# Altium PCB MercurialSDR.PcbDoc (part 3 of 6) (continued)
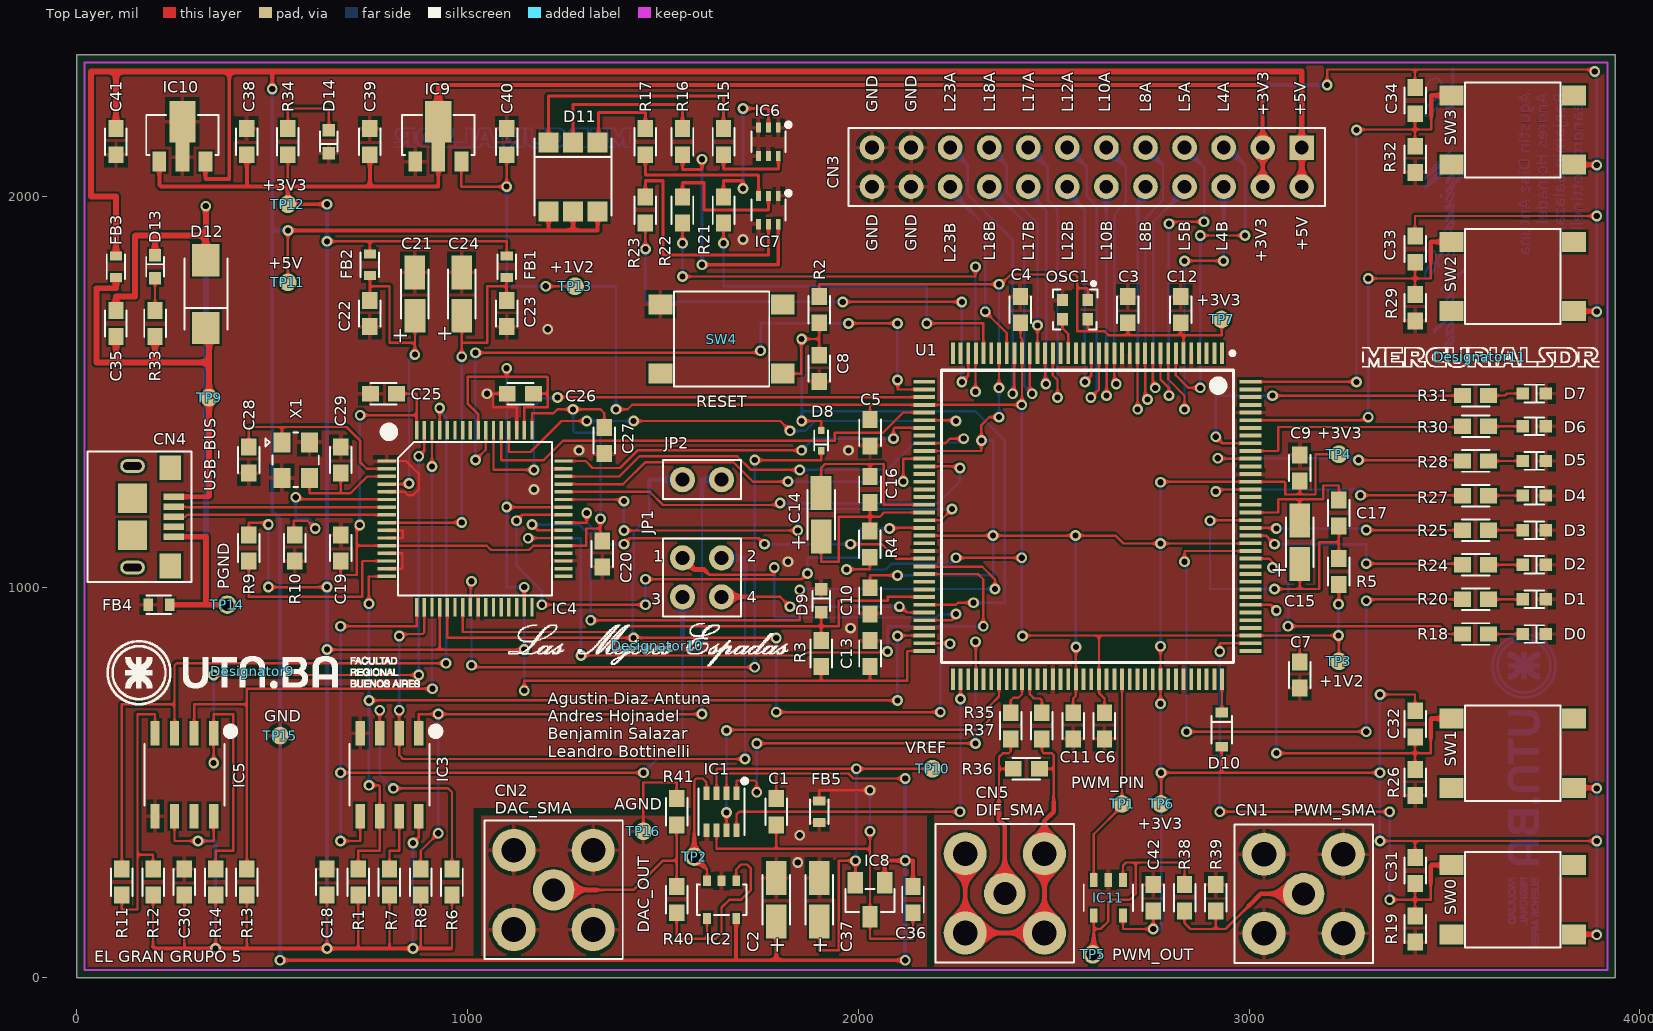
[diagram p0: Top Layer view]
## Nets (pads, with @x,y where several pads share a name; then routed paths per layer and width w, separated by ;. In a path a pad name is that pad's centre, name@x,y a point inside that pad or via, vN(x,y) a via of type N, cw(c..) or ccw(c..) an arc to the next point about the centre after c; other vN are vias at no path point) (continued)
; 3686.8,621.4 3686.8,635.8 ; 3686.8,671.8 3686.8,685.3 ; 3686.8,717.7 3686.8,722.2 ; 3686.8,730.3 3686.8,735.7 ; 3686.8,770.8 3686.8,826.6 ; 3686.8,860.8 3686.8,866.2 ; 3686.8,874.3 3686.8,879.7 ; 3687.7,289.3 3687.7,304.6 ; 3687.7,337.9 3687.7,353.2 ; 3687.7,370.3 3687.7,383.8 ; 3687.7,416.2 3687.7,430.6 ; 3687.7,476.5 3687.7,490.9 ; 3687.7,525.1 3687.7,539.5 ; 3687.7,572.8 3687.7,587.2 ; 3687.7,621.4 3687.7,635.8 ; 3687.7,671.8 3687.7,685.3 ; 3687.7,716.8 3687.7,722.2 ; 3687.7,730.3 3687.7,734.8 ; 3687.7,771.7 3687.7,825.7 ; 3687.7,861.7 3687.7,866.2 ; 3687.7,874.3 3687.7,879.7 ; 3688.6,289.3 3688.6,304.6 ; 3688.6,338.8 3688.6,353.2 ; 3688.6,370.3 3688.6,384.7 ; 3688.6,416.2 3688.6,430.6 ; 3688.6,476.5 3688.6,490.9 ; 3688.6,525.1 3688.6,539.5 ; 3688.6,572.8 3688.6,587.2 ; 3688.6,621.4 3688.6,635.8 ; 3688.6,671.8 3688.6,685.3 ; 3688.6,716.8 3688.6,722.2 ; 3688.6,730.3 3688.6,734.8 ; 3688.6,772.6 3688.6,824.8 ; 3688.6,861.7 3688.6,867.1 ; 3688.6,875.2 3688.6,879.7 ; 3689.5,289.3 3689.5,303.7 ; 3689.5,338.8 3689.5,353.2 ; 3689.5,370.3 3689.5,384.7 ; 3689.5,416.2 3689.5,430.6 ; 3689.5,476.5 3689.5,490.9 ; 3689.5,525.1 3689.5,539.5 ; 3689.5,572.8 3689.5,587.2 ; 3689.5,621.4 3689.5,635.8 ; 3689.5,671.8 3689.5,685.3 ; 3689.5,716.8 3689.5,721.3 ; 3689.5,729.4 3689.5,734.8 ; 3689.5,773.5 3689.5,824.8 ; 3689.5,861.7 3689.5,867.1 ; 3689.5,875.2 3689.5,879.7 ; 3690.4,289.3 3690.4,303.7 ; 3690.4,338.8 3690.4,353.2 ; 3690.4,370.3 3690.4,384.7 ; 3690.4,416.2 3690.4,430.6 ; 3690.4,476.5 3690.4,490.9 ; 3690.4,525.1 3690.4,540.4 ; 3690.4,572.8 3690.4,587.2 ; 3690.4,621.4 3690.4,635.8 ; 3690.4,671.8 3690.4,685.3 ; 3690.4,716.8 3690.4,721.3 ; 3690.4,729.4 3690.4,734.8 ; 3690.4,774.4 3690.4,823.9 ; 3690.4,862.6 3690.4,867.1 ; 3690.4,875.2 3690.4,879.7 ; 3691.3,289.3 3691.3,303.7 ; 3691.3,338.8 3691.3,353.2 ; 3691.3,371.2 3691.3,385.6 ; 3691.3,416.2 3691.3,430.6 ; 3691.3,476.5 3691.3,490.9 ; 3691.3,525.1 3691.3,540.4 ; 3691.3,572.8 3691.3,587.2 ; 3691.3,621.4 3691.3,635.8 ; 3691.3,671.8 3691.3,685.3 ; 3691.3,716.8 3691.3,721.3 ; 3691.3,729.4 3691.3,733.9 ; 3691.3,775.3 3691.3,823 ; 3691.3,862.6 3691.3,867.1 ; 3691.3,875.2 3691.3,879.7 ; 3692.2,289.3 3692.2,303.7 ; 3692.2,338.8 3692.2,353.2 ; 3692.2,371.2 3692.2,385.6 ; 3692.2,416.2 3692.2,430.6 ; 3692.2,476.5 3692.2,490.9 ; 3692.2,525.1 3692.2,540.4 ; 3692.2,572.8 3692.2,587.2 ; 3692.2,621.4 3692.2,635.8 ; 3692.2,671.8 3692.2,685.3 ; 3692.2,715.9 3692.2,721.3 ; 3692.2,729.4 3692.2,733.9 ; 3692.2,776.2 3692.2,821.2 ; 3692.2,862.6 3692.2,867.1 ; 3692.2,875.2 3692.2,880.6 ; 3693.1,289.3 3693.1,303.7 ; 3693.1,338.8 3693.1,353.2 ; 3693.1,372.1 3693.1,386.5 ; 3693.1,416.2 3693.1,430.6 ; 3693.1,476.5 3693.1,490.9 ; 3693.1,526 3693.1,540.4 ; 3693.1,572.8 3693.1,587.2 ; 3693.1,621.4 3693.1,635.8 ; 3693.1,671.8 3693.1,685.3 ; 3693.1,715.9 3693.1,721.3 ; 3693.1,729.4 3693.1,733.9 ; 3693.1,777.1 3693.1,820.3 ; 3693.1,862.6 3693.1,868 ; 3693.1,875.2 3693.1,880.6 ; 3694,188.5 3694,194.8 ; 3694,213.7 3694,219.1 ; 3694,289.3 3694,303.7 ; 3694,338.8 3694,353.2 ; 3694,372.1 3694,387.4 ; 3694,416.2 3694,430.6 ; 3694,476.5 3694,490.9 ; 3694,526 3694,540.4 ; 3694,572.8 3694,587.2 ; 3694,621.4 3694,635.8 ; 3694,671.8 3694,685.3 ; 3694,715.9 3694,721.3 ; 3694,728.5 3694,733.9 ; 3694,778 3694,819.4 ; 3694,862.6 3694,868 ; 3694,876.1 3694,880.6 ; 3694.9,143.5 3694.9,147.1 ; 3694.9,154.3 3694.9,158.8 ; 3694.9,166 3694.9,168.7 ; 3694.9,176.8 3694.9,180.4 ; 3694.9,186.7 3694.9,196.6 ; 3694.9,202.9 3694.9,205.6 ; 3694.9,211 3694.9,221.8 ; 3694.9,226.3 3694.9,239.8 ; 3694.9,244.3 3694.9,256 ; 3694.9,289.3 3694.9,303.7 ; 3694.9,338.8 3694.9,353.2 ; 3694.9,373 3694.9,388.3 ; 3694.9,416.2 3694.9,430.6 ; 3694.9,476.5 3694.9,490.9 ; 3694.9,526 3694.9,540.4 ; 3694.9,572.8 3694.9,587.2 ; 3694.9,621.4 3694.9,635.8 ; 3694.9,671.8 3694.9,685.3 ; 3694.9,715.9 3694.9,720.4 ; 3694.9,728.5 3694.9,733.9 ; 3694.9,779.8 3694.9,817.6 ; 3694.9,862.6 3694.9,868 ; 3694.9,876.1 3694.9,880.6 ; 3695.8,143.5 3695.8,147.1 ; 3695.8,154.3 3695.8,158.8 ; 3695.8,166 3695.8,168.7 ; 3695.8,175.9 3695.8,180.4 ; 3695.8,185.8 3695.8,197.5 ; 3695.8,202.9 3695.8,205.6 ; 3695.8,210.1 3695.8,222.7 ; 3695.8,226.3 3695.8,239.8 ; 3695.8,242.5 3695.8,256 ; 3695.8,289.3 3695.8,303.7 ; 3695.8,338.8 3695.8,353.2 ; 3695.8,373.9 3695.8,390.1 ; 3695.8,416.2 3695.8,430.6 ; 3695.8,476.5 3695.8,490.9 ; 3695.8,526 3695.8,540.4 ; 3695.8,572.8 3695.8,587.2 ; 3695.8,621.4 3695.8,635.8 ; 3695.8,671.8 3695.8,685.3 ; 3695.8,715.9 3695.8,720.4 ; 3695.8,728.5 3695.8,733.9 ; 3695.8,781.6 3695.8,816.7 ; 3695.8,863.5 3695.8,868 ; 3695.8,876.1 3695.8,880.6 ; 3696.7,143.5 3696.7,147.1 ; 3696.7,153.4 3696.7,159.7 ; 3696.7,166 3696.7,168.7 ; 3696.7,175.9 3696.7,180.4 ; 3696.7,184.9 3696.7,190.3 ; 3696.7,193 3696.7,198.4 ; 3696.7,202.9 3696.7,205.6 ; 3696.7,209.2 3696.7,215.5 ; 3696.7,217.3 3696.7,223.6 ; 3696.7,226.3 3696.7,239.8 ; 3696.7,242.5 3696.7,256 ; 3696.7,289.3 3696.7,303.7 ; 3696.7,338.8 3696.7,353.2 ; 3696.7,374.8 3696.7,430.6 ; 3696.7,476.5 3696.7,490 ; 3696.7,526 3696.7,540.4 ; 3696.7,572.8 3696.7,587.2 ; 3696.7,621.4 3696.7,635.8 ; 3696.7,671.8 3696.7,685.3 ; 3696.7,715.9 3696.7,720.4 ; 3696.7,728.5 3696.7,733 ; 3696.7,782.5 3696.7,814.9 ; 3696.7,863.5 3696.7,868 ; 3696.7,876.1 3696.7,880.6 ; 3697.6,143.5 3697.6,147.1 ; 3697.6,153.4 3697.6,159.7 ; 3697.6,166 3697.6,168.7 ; 3697.6,175 3697.6,180.4 ; 3697.6,184 3697.6,188.5 ; 3697.6,194.8 3697.6,199.3 ; 3697.6,202.9 3697.6,205.6 ; 3697.6,209.2 3697.6,213.7 ; 3697.6,219.1 3697.6,223.6 ; 3697.6,236.2 3697.6,239.8 ; 3697.6,241.6 3697.6,246.1 ; 3697.6,253.3 3697.6,256 ; 3697.6,289.3 3697.6,303.7 ; 3697.6,338.8 3697.6,353.2 ; 3697.6,375.7 3697.6,430.6 ; 3697.6,476.5 3697.6,490 ; 3697.6,526 3697.6,540.4 ; 3697.6,572.8 3697.6,587.2 ; 3697.6,621.4 3697.6,635.8 ; 3697.6,671.8 3697.6,685.3 ; 3697.6,715.9 3697.6,720.4 ; 3697.6,728.5 3697.6,733 ; 3697.6,784.3 3697.6,813.1 ; 3697.6,863.5 3697.6,868 ; 3697.6,876.1 3697.6,880.6 ; 3698.5,143.5 3698.5,147.1 ; 3698.5,153.4 3698.5,156.1 ; 3698.5,157 3698.5,159.7 ; 3698.5,166 3698.5,168.7 ; 3698.5,175 3698.5,180.4 ; 3698.5,184 3698.5,187.6 ; 3698.5,195.7 3698.5,199.3 ; 3698.5,202.9 3698.5,205.6 ; 3698.5,209.2 3698.5,212.8 ; 3698.5,220 3698.5,224.5 ; 3698.5,236.2 3698.5,239.8 ; 3698.5,241.6 3698.5,245.2 ; 3698.5,253.3 3698.5,256 ; 3698.5,289.3 3698.5,303.7 ; 3698.5,338.8 3698.5,353.2 ; 3698.5,376.6 3698.5,430.6 ; 3698.5,476.5 3698.5,490 ; 3698.5,526 3698.5,540.4 ; 3698.5,572.8 3698.5,587.2 ; 3698.5,621.4 3698.5,635.8 ; 3698.5,671.8 3698.5,685.3 ; 3698.5,715.9 3698.5,720.4 ; 3698.5,728.5 3698.5,733 ; 3698.5,787 3698.5,810.4 ; 3698.5,863.5 3698.5,868 ; 3698.5,876.1 3698.5,880.6 ; 3699.4,143.5 3699.4,147.1 ; 3699.4,152.5 3699.4,156.1 ; 3699.4,157 3699.4,160.6 ; 3699.4,166 3699.4,168.7 ; 3699.4,174.1 3699.4,180.4 ; 3699.4,183.1 3699.4,186.7 ; 3699.4,196.6 3699.4,200.2 ; 3699.4,202.9 3699.4,205.6 ; 3699.4,208.3 3699.4,211.9 ; 3699.4,220.9 3699.4,224.5 ; 3699.4,236.2 3699.4,239.8 ; 3699.4,241.6 3699.4,245.2 ; 3699.4,253.3 3699.4,256 ; 3699.4,289.3 3699.4,303.7 ; 3699.4,338.8 3699.4,353.2 ; 3699.4,378.4 3699.4,430.6 ; 3699.4,476.5 3699.4,490 ; 3699.4,526 3699.4,540.4 ; 3699.4,572.8 3699.4,587.2 ; 3699.4,621.4 3699.4,635.8 ; 3699.4,671.8 3699.4,685.3 ; 3699.4,715.9 3699.4,720.4 ; 3699.4,728.5 3699.4,733 ; 3699.4,764.5 3699.4,833.8 ; 3699.4,863.5 3699.4,868 ; 3699.4,876.1 3699.4,880.6 ; 3700.3,143.5 3700.3,147.1 ; 3700.3,152.5 3700.3,156.1 ; 3700.3,157 3700.3,160.6 ; 3700.3,166 3700.3,168.7 ; 3700.3,173.2 3700.3,180.4 ; 3700.3,183.1 3700.3,186.7 ; 3700.3,196.6 3700.3,200.2 ; 3700.3,202.9 3700.3,205.6 ; 3700.3,208.3 3700.3,211.9 ; 3700.3,221.8 3700.3,225.4 ; 3700.3,236.2 3700.3,239.8 ; 3700.3,241.6 3700.3,245.2 ; 3700.3,253.3 3700.3,256 ; 3700.3,289.3 3700.3,303.7 ; 3700.3,338.8 3700.3,353.2 ; 3700.3,379.3 3700.3,430.6 ; 3700.3,476.5 3700.3,490 ; 3700.3,526 3700.3,540.4 ; 3700.3,572.8 3700.3,587.2 ; 3700.3,621.4 3700.3,635.8 ; 3700.3,671.8 3700.3,685.3 ; 3700.3,715.9 3700.3,720.4 ; 3700.3,728.5 3700.3,733 ; 3700.3,764.5 3700.3,833.8 ; 3700.3,863.5 3700.3,868 ; 3700.3,876.1 3700.3,880.6 ; 3701.2,143.5 3701.2,147.1 ; 3701.2,151.6 3701.2,155.2 ; 3701.2,157.9 3701.2,161.5 ; 3701.2,166 3701.2,168.7 ; 3701.2,173.2 3701.2,176.8 ; 3701.2,177.7 3701.2,180.4 ; 3701.2,183.1 3701.2,186.7 ; 3701.2,196.6 3701.2,200.2 ; 3701.2,202.9 3701.2,205.6 ; 3701.2,221.8 3701.2,225.4 ; 3701.2,236.2 3701.2,239.8 ; 3701.2,242.5 3701.2,246.1 ; 3701.2,253.3 3701.2,256 ; 3701.2,289.3 3701.2,303.7 ; 3701.2,338.8 3701.2,353.2 ; 3701.2,377.5 3701.2,430.6 ; 3701.2,476.5 3701.2,490 ; 3701.2,526 3701.2,540.4 ; 3701.2,572.8 3701.2,587.2 ; 3701.2,621.4 3701.2,635.8 ; 3701.2,671.8 3701.2,685.3 ; 3701.2,715.9 3701.2,720.4 ; 3701.2,728.5 3701.2,733 ; 3701.2,764.5 3701.2,833.8 ; 3701.2,863.5 3701.2,868 ; 3701.2,876.1 3701.2,881.5 ; 3702.1,143.5 3702.1,147.1 ; 3702.1,151.6 3702.1,155.2 ; 3702.1,157.9 3702.1,161.5 ; 3702.1,166 3702.1,168.7 ; 3702.1,172.3 3702.1,175.9 ; 3702.1,177.7 3702.1,180.4 ; 3702.1,183.1 3702.1,185.8 ; 3702.1,197.5 3702.1,200.2 ; 3702.1,202.9 3702.1,205.6 ; 3702.1,221.8 3702.1,225.4 ; 3702.1,227.2 3702.1,239.8 ; 3702.1,242.5 3702.1,247.9 ; 3702.1,253.3 3702.1,256 ; 3702.1,289.3 3702.1,303.7 ; 3702.1,338.8 3702.1,353.2 ; 3702.1,375.7 3702.1,430.6 ; 3702.1,476.5 3702.1,490 ; 3702.1,526 3702.1,540.4 ; 3702.1,572.8 3702.1,587.2 ; 3702.1,621.4 3702.1,635.8 ; 3702.1,671.8 3702.1,685.3 ; 3702.1,715.9 3702.1,720.4 ; 3702.1,728.5 3702.1,733 ; 3702.1,764.5 3702.1,833.8 ; 3702.1,863.5 3702.1,868 ; 3702.1,876.1 3702.1,881.5 ; 3703,143.5 3703,147.1 ; 3703,151.6 3703,155.2 ; 3703,157.9 3703,161.5 ; 3703,166 3703,168.7 ; 3703,171.4 3703,175.9 ; 3703,177.7 3703,180.4 ; 3703,183.1 3703,185.8 ; 3703,197.5 3703,200.2 ; 3703,202.9 3703,205.6 ; 3703,208.3 3703,217.3 ; 3703,221.8 3703,225.4 ; 3703,227.2 3703,239.8 ; 3703,243.4 3703,256 ; 3703,289.3 3703,303.7 ; 3703,338.8 3703,353.2 ; 3703,373.9 3703,430.6 ; 3703,476.5 3703,490 ; 3703,526 3703,540.4 ; 3703,572.8 3703,587.2 ; 3703,621.4 3703,635.8 ; 3703,671.8 3703,685.3 ; 3703,715.9 3703,720.4 ; 3703,728.5 3703,733 ; 3703,764.5 3703,833.8 ; 3703,863.5 3703,868 ; 3703,876.1 3703,881.5 ; 3703.9,143.5 3703.9,147.1 ; 3703.9,150.7 3703.9,154.3 ; 3703.9,158.8 3703.9,162.4 ; 3703.9,166 3703.9,168.7 ; 3703.9,171.4 3703.9,175 ; 3703.9,177.7 3703.9,180.4 ; 3703.9,183.1 3703.9,185.8 ; 3703.9,197.5 3703.9,200.2 ; 3703.9,202.9 3703.9,205.6 ; 3703.9,208.3 3703.9,217.3 ; 3703.9,221.8 3703.9,225.4 ; 3703.9,227.2 3703.9,239.8 ; 3703.9,243.4 3703.9,256 ; 3703.9,289.3 3703.9,303.7 ; 3703.9,338.8 3703.9,353.2 ; 3703.9,373 3703.9,430.6 ; 3703.9,476.5 3703.9,490 ; 3703.9,526 3703.9,540.4 ; 3703.9,572.8 3703.9,587.2 ; 3703.9,621.4 3703.9,635.8 ; 3703.9,671.8 3703.9,685.3 ; 3703.9,715.9 3703.9,720.4 ; 3703.9,728.5 3703.9,733 ; 3703.9,764.5 3703.9,833.8 ; 3703.9,863.5 3703.9,868 ; 3703.9,876.1 3703.9,881.5 ; 3704.8,143.5 3704.8,147.1 ; 3704.8,150.7 3704.8,162.4 ; 3704.8,166 3704.8,168.7 ; 3704.8,170.5 3704.8,174.1 ; 3704.8,177.7 3704.8,180.4 ; 3704.8,183.1 3704.8,185.8 ; 3704.8,196.6 3704.8,200.2 ; 3704.8,202.9 3704.8,205.6 ; 3704.8,208.3 3704.8,217.3 ; 3704.8,221.8 3704.8,225.4 ; 3704.8,236.2 3704.8,239.8 ; 3704.8,242.5 3704.8,256 ; 3704.8,289.3 3704.8,303.7 ; 3704.8,338.8 3704.8,353.2 ; 3704.8,372.1 3704.8,430.6 ; 3704.8,476.5 3704.8,490 ; 3704.8,526 3704.8,540.4 ; 3704.8,572.8 3704.8,587.2 ; 3704.8,621.4 3704.8,635.8 ; 3704.8,671.8 3704.8,685.3 ; 3704.8,715.9 3704.8,720.4 ; 3704.8,728.5 3704.8,733 ; 3704.8,764.5 3704.8,833.8 ; 3704.8,863.5 3704.8,868 ; 3704.8,876.1 3704.8,881.5 ; 3705.7,143.5 3705.7,147.1 ; 3705.7,150.7 3705.7,162.4 ; 3705.7,166 3705.7,168.7 ; 3705.7,169.6 3705.7,174.1 ; 3705.7,177.7 3705.7,180.4 ; 3705.7,183.1 3705.7,186.7 ; 3705.7,196.6 3705.7,200.2 ; 3705.7,202.9 3705.7,205.6 ; 3705.7,208.3 3705.7,211 ; 3705.7,221.8 3705.7,225.4 ; 3705.7,236.2 3705.7,239.8 ; 3705.7,242.5 3705.7,246.1 ; 3705.7,253.3 3705.7,256 ; 3705.7,289.3 3705.7,303.7 ; 3705.7,338.8 3705.7,353.2 ; 3705.7,371.2 3705.7,430.6 ; 3705.7,476.5 3705.7,490 ; 3705.7,526 3705.7,540.4 ; 3705.7,572.8 3705.7,587.2 ; 3705.7,621.4 3705.7,635.8 ; 3705.7,671.8 3705.7,685.3 ; 3705.7,715.9 3705.7,720.4 ; 3705.7,728.5 3705.7,733 ; 3705.7,764.5 3705.7,833.8 ; 3705.7,863.5 3705.7,868 ; 3705.7,876.1 3705.7,881.5 ; 3706.6,143.5 3706.6,147.1 ; 3706.6,149.8 3706.6,163.3 ; 3706.6,166 3706.6,168.7 ; 3706.6,169.6 3706.6,173.2 ; 3706.6,177.7 3706.6,180.4 ; 3706.6,183.1 3706.6,186.7 ; 3706.6,196.6 3706.6,200.2 ; 3706.6,202.9 3706.6,205.6 ; 3706.6,208.3 3706.6,211.9 ; 3706.6,221.8 3706.6,225.4 ; 3706.6,236.2 3706.6,239.8 ; 3706.6,242.5 3706.6,246.1 ; 3706.6,253.3 3706.6,256 ; 3706.6,289.3 3706.6,303.7 ; 3706.6,338.8 3706.6,353.2 ; 3706.6,370.3 3706.6,430.6 ; 3706.6,476.5 3706.6,490 ; 3706.6,526 3706.6,540.4 ; 3706.6,572.8 3706.6,587.2 ; 3706.6,621.4 3706.6,635.8 ; 3706.6,671.8 3706.6,685.3 ; 3706.6,715.9 3706.6,720.4 ; 3706.6,728.5 3706.6,733 ; 3706.6,764.5 3706.6,833.8 ; 3706.6,863.5 3706.6,868 ; 3706.6,876.1 3706.6,881.5 ; 3707.5,143.5 3707.5,147.1 ; 3707.5,149.8 3707.5,153.4 ; 3707.5,159.7 3707.5,163.3 ; 3707.5,166 3707.5,172.3 ; 3707.5,177.7 3707.5,180.4 ; 3707.5,183.1 3707.5,187.6 ; 3707.5,195.7 3707.5,200.2 ; 3707.5,202.9 3707.5,205.6 ; 3707.5,208.3 3707.5,211.9 ; 3707.5,220.9 3707.5,224.5 ; 3707.5,236.2 3707.5,239.8 ; 3707.5,242.5 3707.5,245.2 ; 3707.5,253.3 3707.5,256 ; 3707.5,289.3 3707.5,303.7 ; 3707.5,338.8 3707.5,353.2 ; 3707.5,369.4 3707.5,390.1 ; 3707.5,416.2 3707.5,430.6 ; 3707.5,476.5 3707.5,490 ; 3707.5,526 3707.5,540.4 ; 3707.5,572.8 3707.5,587.2 ; 3707.5,621.4 3707.5,635.8 ; 3707.5,671.8 3707.5,685.3 ; 3707.5,715.9 3707.5,720.4 ; 3707.5,728.5 3707.5,733 ; 3707.5,764.5 3707.5,833.8 ; 3707.5,863.5 3707.5,868 ; 3707.5,876.1 3707.5,881.5 ; 3708.4,143.5 3708.4,147.1 ; 3708.4,148.9 3708.4,152.5 ; 3708.4,160.6 3708.4,164.2 ; 3708.4,166 3708.4,172.3 ; 3708.4,177.7 3708.4,180.4 ; 3708.4,184 3708.4,187.6 ; 3708.4,195.7 3708.4,199.3 ; 3708.4,202.9 3708.4,205.6 ; 3708.4,208.3 3708.4,212.8 ; 3708.4,220 3708.4,224.5 ; 3708.4,236.2 3708.4,239.8 ; 3708.4,242.5 3708.4,245.2 ; 3708.4,253.3 3708.4,256 ; 3708.4,289.3 3708.4,303.7 ; 3708.4,338.8 3708.4,353.2 ; 3708.4,369.4 3708.4,387.4 ; 3708.4,416.2 3708.4,430.6 ; 3708.4,476.5 3708.4,490 ; 3708.4,526 3708.4,540.4 ; 3708.4,572.8 3708.4,587.2 ; 3708.4,621.4 3708.4,635.8 ; 3708.4,671.8 3708.4,685.3 ; 3708.4,715.9 3708.4,720.4 ; 3708.4,728.5 3708.4,733 ; 3708.4,764.5 3708.4,833.8 ; 3708.4,863.5 3708.4,868 ; 3708.4,876.1 3708.4,881.5 ; 3709.3,143.5 3709.3,147.1 ; 3709.3,148.9 3709.3,152.5 ; 3709.3,160.6 3709.3,164.2 ; 3709.3,166 3709.3,171.4 ; 3709.3,177.7 3709.3,180.4 ; 3709.3,184 3709.3,189.4 ; 3709.3,193.9 3709.3,199.3 ; 3709.3,202.9 3709.3,205.6 ; 3709.3,208.3 3709.3,213.7 ; 3709.3,219.1 3709.3,223.6 ; 3709.3,236.2 3709.3,239.8 ; 3709.3,242.5 3709.3,245.2 ; 3709.3,253.3 3709.3,256 ; 3709.3,289.3 3709.3,303.7 ; 3709.3,338.8 3709.3,353.2 ; 3709.3,368.5 3709.3,385.6 ; 3709.3,416.2 3709.3,430.6 ; 3709.3,476.5 3709.3,490 ; 3709.3,526 3709.3,540.4 ; 3709.3,572.8 3709.3,587.2 ; 3709.3,621.4 3709.3,635.8 ; 3709.3,671.8 3709.3,685.3 ; 3709.3,715.9 3709.3,720.4 ; 3709.3,728.5 3709.3,733 ; 3709.3,764.5 3709.3,833.8 ; 3709.3,863.5 3709.3,868 ; 3709.3,876.1 3709.3,880.6 ; 3710.2,134.5 3710.2,147.1 ; 3710.2,148.9 3710.2,152.5 ; 3710.2,160.6 3710.2,164.2 ; 3710.2,166 3710.2,170.5 ; 3710.2,177.7 3710.2,180.4 ; 3710.2,184.9 3710.2,198.4 ; 3710.2,202.9 3710.2,205.6 ; 3710.2,208.3 3710.2,223.6 ; 3710.2,226.3 3710.2,239.8 ; 3710.2,241.6 3710.2,245.2 ; 3710.2,253.3 3710.2,256 ; 3710.2,289.3 3710.2,303.7 ; 3710.2,338.8 3710.2,353.2 ; 3710.2,368.5 3710.2,383.8 ; 3710.2,416.2 3710.2,430.6 ; 3710.2,476.5 3710.2,490 ; 3710.2,526 3710.2,540.4 ; 3710.2,572.8 3710.2,587.2 ; 3710.2,621.4 3710.2,635.8 ; 3710.2,671.8 3710.2,685.3 ; 3710.2,715.9 3710.2,720.4 ; 3710.2,728.5 3710.2,733 ; 3710.2,764.5 3710.2,833.8 ; 3710.2,863.5 3710.2,868 ; 3710.2,876.1 3710.2,880.6 ; 3711.1,134.5 3711.1,147.1 ; 3711.1,148 3711.1,151.6 ; 3711.1,161.5 3711.1,165.1 ; 3711.1,166 3711.1,170.5 ; 3711.1,177.7 3711.1,180.4 ; 3711.1,185.8 3711.1,197.5 ; 3711.1,202.9 3711.1,205.6 ; 3711.1,208.3 3711.1,222.7 ; 3711.1,226.3 3711.1,239.8 ; 3711.1,241.6 3711.1,245.2 ; 3711.1,253.3 3711.1,256 ; 3711.1,289.3 3711.1,353.2 ; 3711.1,367.6 3711.1,382.9 ; 3711.1,416.2 3711.1,430.6 ; 3711.1,476.5 3711.1,490 ; 3711.1,526 3711.1,540.4 ; 3711.1,572.8 3711.1,587.2 ; 3711.1,621.4 3711.1,635.8 ; 3711.1,671.8 3711.1,685.3 ; 3711.1,715.9 3711.1,720.4 ; 3711.1,728.5 3711.1,733 ; 3711.1,764.5 3711.1,833.8 ; 3711.1,863.5 3711.1,868 ; 3711.1,876.1 3711.1,880.6 ; 3712,134.5 3712,147.1 ; 3712,148 3712,151.6 ; 3712,161.5 3712,165.1 ; 3712,166 3712,169.6 ; 3712,177.7 3712,180.4 ; 3712,186.7 3712,195.7 ; 3712,202.9 3712,205.6 ; 3712,208.3 3712,211 ; 3712,211.9 3712,220.9 ; 3712,226.3 3712,239.8 ; 3712,241.6 3712,245.2 ; 3712,253.3 3712,256 ; 3712,289.3 3712,353.2 ; 3712,367.6 3712,382.9 ; 3712,416.2 3712,430.6 ; 3712,476.5 3712,490 ; 3712,526 3712,540.4 ; 3712,572.8 3712,587.2 ; 3712,621.4 3712,635.8 ; 3712,671.8 3712,685.3 ; 3712,715.9 3712,720.4 ; 3712,728.5 3712,733 ; 3712,786.1 3712,811.3 ; 3712,863.5 3712,868 ; 3712,876.1 3712,880.6 ; 3712.9,190.3 3712.9,193 ; 3712.9,215.5 3712.9,218.2 ; 3712.9,289.3 3712.9,353.2 ; 3712.9,366.7 3712.9,382 ; 3712.9,416.2 3712.9,430.6 ; 3712.9,476.5 3712.9,490 ; 3712.9,526 3712.9,540.4 ; 3712.9,572.8 3712.9,587.2 ; 3712.9,621.4 3712.9,635.8 ; 3712.9,670.9 3712.9,685.3 ; 3712.9,715.9 3712.9,720.4 ; 3712.9,728.5 3712.9,733 ; 3712.9,784.3 3712.9,814 ; 3712.9,863.5 3712.9,868 ; 3712.9,876.1 3712.9,880.6 ; 3713.8,289.3 3713.8,353.2 ; 3713.8,366.7 3713.8,382 ; 3713.8,416.2 3713.8,430.6 ; 3713.8,476.5 3713.8,490 ; 3713.8,526 3713.8,540.4 ; 3713.8,572.8 3713.8,587.2 ; 3713.8,621.4 3713.8,635.8 ; 3713.8,670.9 3713.8,685.3 ; 3713.8,715.9 3713.8,720.4 ; 3713.8,728.5 3713.8,733.9 ; 3713.8,782.5 3713.8,815.8 ; 3713.8,863.5 3713.8,868 ; 3713.8,876.1 3713.8,880.6 ; 3714.7,289.3 3714.7,353.2 ; 3714.7,366.7 3714.7,381.1 ; 3714.7,416.2 3714.7,430.6 ; 3714.7,476.5 3714.7,490 ; 3714.7,526 3714.7,540.4 ; 3714.7,572.8 3714.7,587.2 ; 3714.7,621.4 3714.7,636.7 ; 3714.7,670.9 3714.7,685.3 ; 3714.7,715.9 3714.7,720.4 ; 3714.7,728.5 3714.7,733.9 ; 3714.7,780.7 3714.7,816.7 ; 3714.7,862.6 3714.7,868 ; 3714.7,876.1 3714.7,880.6 ; 3715.6,289.3 3715.6,353.2 ; 3715.6,366.7 3715.6,381.1 ; 3715.6,416.2 3715.6,430.6 ; 3715.6,476.5 3715.6,490 ; 3715.6,526 3715.6,540.4 ; 3715.6,572.8 3715.6,587.2 ; 3715.6,621.4 3715.6,636.7 ; 3715.6,670.9 3715.6,685.3 ; 3715.6,715.9 3715.6,721.3 ; 3715.6,729.4 3715.6,733.9 ; 3715.6,778.9 3715.6,818.5 ; 3715.6,862.6 3715.6,868 ; 3715.6,876.1 3715.6,880.6 ; 3716.5,289.3 3716.5,353.2 ; 3716.5,366.7 3716.5,381.1 ; 3716.5,416.2 3716.5,430.6 ; 3716.5,476.5 3716.5,490 ; 3716.5,526 3716.5,540.4 ; 3716.5,572.8 3716.5,587.2 ; 3716.5,621.4 3716.5,636.7 ; 3716.5,670.9 3716.5,685.3 ; 3716.5,715.9 3716.5,721.3 ; 3716.5,729.4 3716.5,733.9 ; 3716.5,778 3716.5,819.4 ; 3716.5,862.6 3716.5,867.1 ; 3716.5,875.2 3716.5,880.6 ; 3717.4,289.3 3717.4,353.2 ; 3717.4,366.7 3717.4,381.1 ; 3717.4,416.2 3717.4,430.6 ; 3717.4,476.5 3717.4,490 ; 3717.4,526 3717.4,540.4 ; 3717.4,572.8 3717.4,587.2 ; 3717.4,622.3 3717.4,636.7 ; 3717.4,670.9 3717.4,685.3 ; 3717.4,716.8 3717.4,721.3 ; 3717.4,729.4 3717.4,733.9 ; 3717.4,777.1 3717.4,821.2 ; 3717.4,862.6 3717.4,867.1 ; 3717.4,875.2 3717.4,880.6 ; 3718.3,289.3 3718.3,353.2 ; 3718.3,366.7 3718.3,380.2 ; 3718.3,416.2 3718.3,430.6 ; 3718.3,476.5 3718.3,490 ; 3718.3,526 3718.3,540.4 ; 3718.3,572.8 3718.3,587.2 ; 3718.3,622.3 3718.3,636.7 ; 3718.3,670.9 3718.3,685.3 ; 3718.3,716.8 3718.3,721.3 ; 3718.3,729.4 3718.3,734.8 ; 3718.3,775.3 3718.3,822.1 ; 3718.3,862.6 3718.3,867.1 ; 3718.3,875.2 3718.3,879.7 ; 3719.2,289.3 3719.2,353.2 ; 3719.2,366.7 3719.2,380.2 ; 3719.2,416.2 3719.2,430.6 ; 3719.2,476.5 3719.2,490 ; 3719.2,526 3719.2,540.4 ; 3719.2,572.8 3719.2,587.2 ; 3719.2,622.3 3719.2,636.7 ; 3719.2,670.9 3719.2,685.3 ; 3719.2,716.8 3719.2,721.3 ; 3719.2,729.4 3719.2,734.8 ; 3719.2,774.4 3719.2,823 ; 3719.2,861.7 3719.2,867.1 ; 3719.2,875.2 3719.2,879.7 ; 3720.1,289.3 3720.1,353.2 ; 3720.1,366.7 3720.1,381.1 ; 3720.1,416.2 3720.1,430.6 ; 3720.1,476.5 3720.1,490 ; 3720.1,526 3720.1,540.4 ; 3720.1,572.8 3720.1,587.2 ; 3720.1,622.3 3720.1,636.7 ; 3720.1,670.9 3720.1,685.3 ; 3720.1,716.8 3720.1,722.2 ; 3720.1,729.4 3720.1,734.8 ; 3720.1,773.5 3720.1,823.9 ; 3720.1,861.7 3720.1,867.1 ; 3720.1,875.2 3720.1,879.7 ; 3721,289.3 3721,353.2 ; 3721,366.7 3721,381.1 ; 3721,416.2 3721,430.6 ; 3721,476.5 3721,490 ; 3721,526 3721,540.4 ; 3721,572.8 3721,587.2 ; 3721,622.3 3721,637.6 ; 3721,670 3721,685.3 ; 3721,716.8 3721,722.2 ; 3721,730.3 3721,734.8 ; 3721,772.6 3721,824.8 ; 3721,861.7 3721,866.2 ; 3721,874.3 3721,879.7 ; 3721.9,289.3 3721.9,303.7 ; 3721.9,338.8 3721.9,353.2 ; 3721.9,366.7 3721.9,381.1 ; 3721.9,416.2 3721.9,430.6 ; 3721.9,476.5 3721.9,490 ; 3721.9,526 3721.9,540.4 ; 3721.9,572.8 3721.9,587.2 ; 3721.9,622.3 3721.9,637.6 ; 3721.9,670 3721.9,685.3 ; 3721.9,716.8 3721.9,722.2 ; 3721.9,730.3 3721.9,735.7 ; 3721.9,772.6 3721.9,825.7 ; 3721.9,861.7 3721.9,866.2 ; 3721.9,874.3 3721.9,879.7 ; 3722.8,289.3 3722.8,303.7 ; 3722.8,338.8 3722.8,353.2 ; 3722.8,366.7 3722.8,381.1 ; 3722.8,416.2 3722.8,430.6 ; 3722.8,476.5 3722.8,490 ; 3722.8,526 3722.8,540.4 ; 3722.8,572.8 3722.8,587.2 ; 3722.8,622.3 3722.8,637.6 ; 3722.8,670 3722.8,685.3 ; 3722.8,717.7 3722.8,722.2 ; 3722.8,730.3 3722.8,735.7 ; 3722.8,771.7 3722.8,826.6 ; 3722.8,860.8 3722.8,866.2 ; 3722.8,874.3 3722.8,878.8 ; 3723.7,83.2 3723.7,90.4 ; 3723.7,95.8 3723.7,108.4 ; 3723.7,114.7 3723.7,125.5 ; 3723.7,128.2 3723.7,130.9 ; 3723.7,139 3723.7,142.6 ; 3723.7,160.6 3723.7,167.8 ; 3723.7,177.7 3723.7,184.9 ; 3723.7,192.1 3723.7,194.8 ; 3723.7,202.9 3723.7,206.5 ; 3723.7,208.3 3723.7,221.8 ; 3723.7,224.5 3723.7,228.1 ; 3723.7,236.2 3723.7,239.8 ; 3723.7,246.1 3723.7,256 ; 3723.7,289.3 3723.7,303.7 ; 3723.7,338.8 3723.7,353.2 ; 3723.7,366.7 3723.7,382 ; 3723.7,416.2 3723.7,430.6 ; 3723.7,476.5 3723.7,490 ; 3723.7,526 3723.7,540.4 ; 3723.7,572.8 3723.7,587.2 ; 3723.7,623.2 3723.7,638.5 ; 3723.7,669.1 3723.7,684.4 ; 3723.7,717.7 3723.7,722.2 ; 3723.7,730.3 3723.7,735.7 ; 3723.7,770.8 3723.7,826.6 ; 3723.7,860.8 3723.7,866.2 ; 3723.7,874.3 3723.7,878.8 ; 3724.6,82.3 3724.6,92.2 ; 3724.6,95.8 3724.6,108.4 ; 3724.6,112.9 3724.6,125.5 ; 3724.6,128.2 3724.6,130.9 ; 3724.6,139 3724.6,143.5 ; 3724.6,158.8 3724.6,168.7 ; 3724.6,175.9 3724.6,186.7 ; 3724.6,192.1 3724.6,194.8 ; 3724.6,202.9 3724.6,206.5 ; 3724.6,208.3 3724.6,221.8 ; 3724.6,224.5 3724.6,228.1 ; 3724.6,236.2 3724.6,239.8 ; 3724.6,244.3 3724.6,256 ; 3724.6,289.3 3724.6,303.7 ; 3724.6,338.8 3724.6,353.2 ; 3724.6,366.7 3724.6,382 ; 3724.6,416.2 3724.6,430.6 ; 3724.6,476.5 3724.6,490 ; 3724.6,526 3724.6,540.4 ; 3724.6,572.8 3724.6,587.2 ; 3724.6,623.2 3724.6,638.5 ; 3724.6,669.1 3724.6,684.4 ; 3724.6,717.7 3724.6,723.1 ; 3724.6,731.2 3724.6,735.7 ; 3724.6,769.9 3724.6,827.5 ; 3724.6,860.8 3724.6,865.3 ; 3724.6,873.4 3724.6,878.8 ; 3725.5,81.4 3725.5,93.1 ; 3725.5,95.8 3725.5,108.4 ; 3725.5,112 3725.5,125.5 ; 3725.5,128.2 3725.5,130.9 ; 3725.5,139 3725.5,143.5 ; 3725.5,157.9 3725.5,169.6 ; 3725.5,175 3725.5,187.6 ; 3725.5,192.1 3725.5,194.8 ; 3725.5,202 3725.5,206.5 ; 3725.5,208.3 3725.5,221.8 ; 3725.5,224.5 3725.5,228.1 ; 3725.5,236.2 3725.5,239.8 ; 3725.5,243.4 3725.5,256 ; 3725.5,289.3 3725.5,303.7 ; 3725.5,338.8 3725.5,353.2 ; 3725.5,366.7 3725.5,382.9 ; 3725.5,416.2 3725.5,430.6 ; 3725.5,476.5 3725.5,490 ; 3725.5,526 3725.5,540.4 ; 3725.5,572.8 3725.5,587.2 ; 3725.5,623.2 3725.5,639.4 ; 3725.5,668.2 3725.5,684.4 ; 3725.5,717.7 3725.5,723.1 ; 3725.5,731.2 3725.5,736.6 ; 3725.5,769.9 3725.5,791.5 ; 3725.5,792.4 3725.5,805 ; 3725.5,805.9 3725.5,828.4 ; 3725.5,859.9 3725.5,865.3 ; 3725.5,873.4 3725.5,878.8 ; 3726.4,80.5 3726.4,85.9 ; 3726.4,88.6 3726.4,93.1 ; 3726.4,95.8 3726.4,108.4 ; 3726.4,111.1 3726.4,125.5 ; 3726.4,128.2 3726.4,130.9 ; 3726.4,138.1 3726.4,143.5 ; 3726.4,157.9 3726.4,162.4 ; 3726.4,166 3726.4,170.5 ; 3726.4,174.1 3726.4,179.5 ; 3726.4,183.1 3726.4,188.5 ; 3726.4,192.1 3726.4,194.8 ; 3726.4,202 3726.4,206.5 ; 3726.4,208.3 3726.4,221.8 ; 3726.4,224.5 3726.4,228.1 ; 3726.4,236.2 3726.4,239.8 ; 3726.4,242.5 3726.4,256 ; 3726.4,289.3 3726.4,303.7 ; 3726.4,338.8 3726.4,353.2 ; 3726.4,366.7 3726.4,382.9 ; 3726.4,416.2 3726.4,430.6 ; 3726.4,450.4 3726.4,455.8 ; 3726.4,476.5 3726.4,490 ; 3726.4,526 3726.4,540.4 ; 3726.4,572.8 3726.4,587.2 ; 3726.4,624.1 3726.4,640.3 ; 3726.4,667.3 3726.4,683.5 ; 3726.4,718.6 3726.4,723.1 ; 3726.4,731.2 3726.4,736.6 ; 3726.4,769 3726.4,789.7 ; 3726.4,792.4 3726.4,805 ; 3726.4,807.7 3726.4,828.4 ; 3726.4,859.9 3726.4,865.3 ; 3726.4,873.4 3726.4,877.9 ; 3727.3,80.5 3727.3,84.1 ; 3727.3,90.4 3727.3,94 ; 3727.3,104.8 3727.3,108.4 ; 3727.3,111.1 3727.3,114.7 ; 3727.3,121.9 3727.3,125.5 ; 3727.3,128.2 3727.3,130.9 ; 3727.3,138.1 3727.3,144.4 ; 3727.3,157 3727.3,161.5 ; 3727.3,166.9 3727.3,170.5 ; 3727.3,173.2 3727.3,177.7 ; 3727.3,184 3727.3,188.5 ; 3727.3,192.1 3727.3,194.8 ; 3727.3,201.1 3727.3,206.5 ; 3727.3,218.2 3727.3,221.8 ; 3727.3,224.5 3727.3,228.1 ; 3727.3,236.2 3727.3,239.8 ; 3727.3,242.5 3727.3,246.1 ; 3727.3,253.3 3727.3,256 ; 3727.3,289.3 3727.3,303.7 ; 3727.3,338.8 3727.3,353.2 ; 3727.3,367.6 3727.3,383.8 ; 3727.3,416.2 3727.3,430.6 ; 3727.3,448.6 3727.3,457.6 ; 3727.3,476.5 3727.3,490 ; 3727.3,526 3727.3,540.4 ; 3727.3,572.8 3727.3,587.2 ; 3727.3,624.1 3727.3,641.2 ; 3727.3,666.4 3727.3,683.5 ; 3727.3,718.6 3727.3,724 ; 3727.3,732.1 3727.3,736.6 ; 3727.3,768.1 3727.3,787.9 ; 3727.3,792.4 3727.3,805 ; 3727.3,809.5 3727.3,829.3 ; 3727.3,859.9 3727.3,864.4 ; 3727.3,873.4 3727.3,877.9 ; 3728.2,80.5 3728.2,83.2 ; 3728.2,90.4 3728.2,94 ; 3728.2,104.8 3728.2,108.4 ; 3728.2,111.1 3728.2,113.8 ; 3728.2,121.9 3728.2,125.5 ; 3728.2,128.2 3728.2,130.9 ; 3728.2,137.2 3728.2,140.8 ; 3728.2,141.7 3728.2,144.4 ; 3728.2,157 3728.2,160.6 ; 3728.2,167.8 3728.2,170.5 ; 3728.2,173.2 3728.2,176.8 ; 3728.2,184.9 3728.2,189.4 ; 3728.2,192.1 3728.2,194.8 ; 3728.2,200.2 3728.2,206.5 ; 3728.2,218.2 3728.2,221.8 ; 3728.2,224.5 3728.2,228.1 ; 3728.2,236.2 3728.2,239.8 ; 3728.2,242.5 3728.2,246.1 ; 3728.2,253.3 3728.2,256 ; 3728.2,289.3 3728.2,303.7 ; 3728.2,338.8 3728.2,353.2 ; 3728.2,367.6 3728.2,385.6 ; 3728.2,416.2 3728.2,430.6 ; 3728.2,446.8 3728.2,459.4 ; 3728.2,476.5 3728.2,490 ; 3728.2,526 3728.2,540.4 ; 3728.2,572.8 3728.2,587.2 ; 3728.2,624.1 3728.2,642.1 ; 3728.2,665.5 3728.2,683.5 ; 3728.2,718.6 3728.2,724 ; 3728.2,732.1 3728.2,737.5 ; 3728.2,768.1 3728.2,787 ; 3728.2,792.4 3728.2,805 ; 3728.2,811.3 3728.2,829.3 ; 3728.2,859 3728.2,864.4 ; 3728.2,872.5 3728.2,877.9 ; 3729.1,80.5 3729.1,83.2 ; 3729.1,90.4 3729.1,94 ; 3729.1,104.8 3729.1,108.4 ; 3729.1,111.1 3729.1,113.8 ; 3729.1,121.9 3729.1,125.5 ; 3729.1,128.2 3729.1,130.9 ; 3729.1,137.2 3729.1,140.8 ; 3729.1,141.7 3729.1,145.3 ; 3729.1,157 3729.1,160.6 ; 3729.1,166.9 3729.1,170.5 ; 3729.1,172.3 3729.1,176.8 ; 3729.1,185.8 3729.1,189.4 ; 3729.1,192.1 3729.1,194.8 ; 3729.1,200.2 3729.1,206.5 ; 3729.1,218.2 3729.1,221.8 ; 3729.1,224.5 3729.1,228.1 ; 3729.1,236.2 3729.1,239.8 ; 3729.1,242.5 3729.1,246.1 ; 3729.1,253.3 3729.1,256 ; 3729.1,289.3 3729.1,303.7 ; 3729.1,338.8 3729.1,353.2 ; 3729.1,367.6 3729.1,387.4 ; 3729.1,416.2 3729.1,430.6 ; 3729.1,445.9 3729.1,460.3 ; 3729.1,476.5 3729.1,490 ; 3729.1,526 3729.1,540.4 ; 3729.1,572.8 3729.1,587.2 ; 3729.1,625 3729.1,643 ; 3729.1,664.6 3729.1,682.6 ; 3729.1,719.5 3729.1,724 ; 3729.1,732.1 3729.1,737.5 ; 3729.1,767.2 3729.1,785.2 ; 3729.1,792.4 3729.1,805 ; 3729.1,812.2 3729.1,830.2 ; 3729.1,859 3729.1,864.4 ; 3729.1,872.5 3729.1,877.9 ; 3730,89.5 3730,94 ; 3730,104.8 3730,108.4 ; 3730,111.1 3730,114.7 ; 3730,121.9 3730,125.5 ; 3730,128.2 3730,130.9 ; 3730,137.2 3730,139.9 ; 3730,141.7 3730,145.3 ; 3730,166 3730,170.5 ; 3730,172.3 3730,175.9 ; 3730,185.8 3730,189.4 ; 3730,192.1 3730,194.8 ; 3730,199.3 3730,202.9 ; 3730,203.8 3730,206.5 ; 3730,218.2 3730,221.8 ; 3730,224.5 3730,228.1 ; 3730,236.2 3730,239.8 ; 3730,242.5 3730,246.1 ; 3730,253.3 3730,256